# KiCad board Phoenixia2.kicad_pcb
title: Phoenixia72; date: 2024-05-09; rev: 1; company: James Gzowski
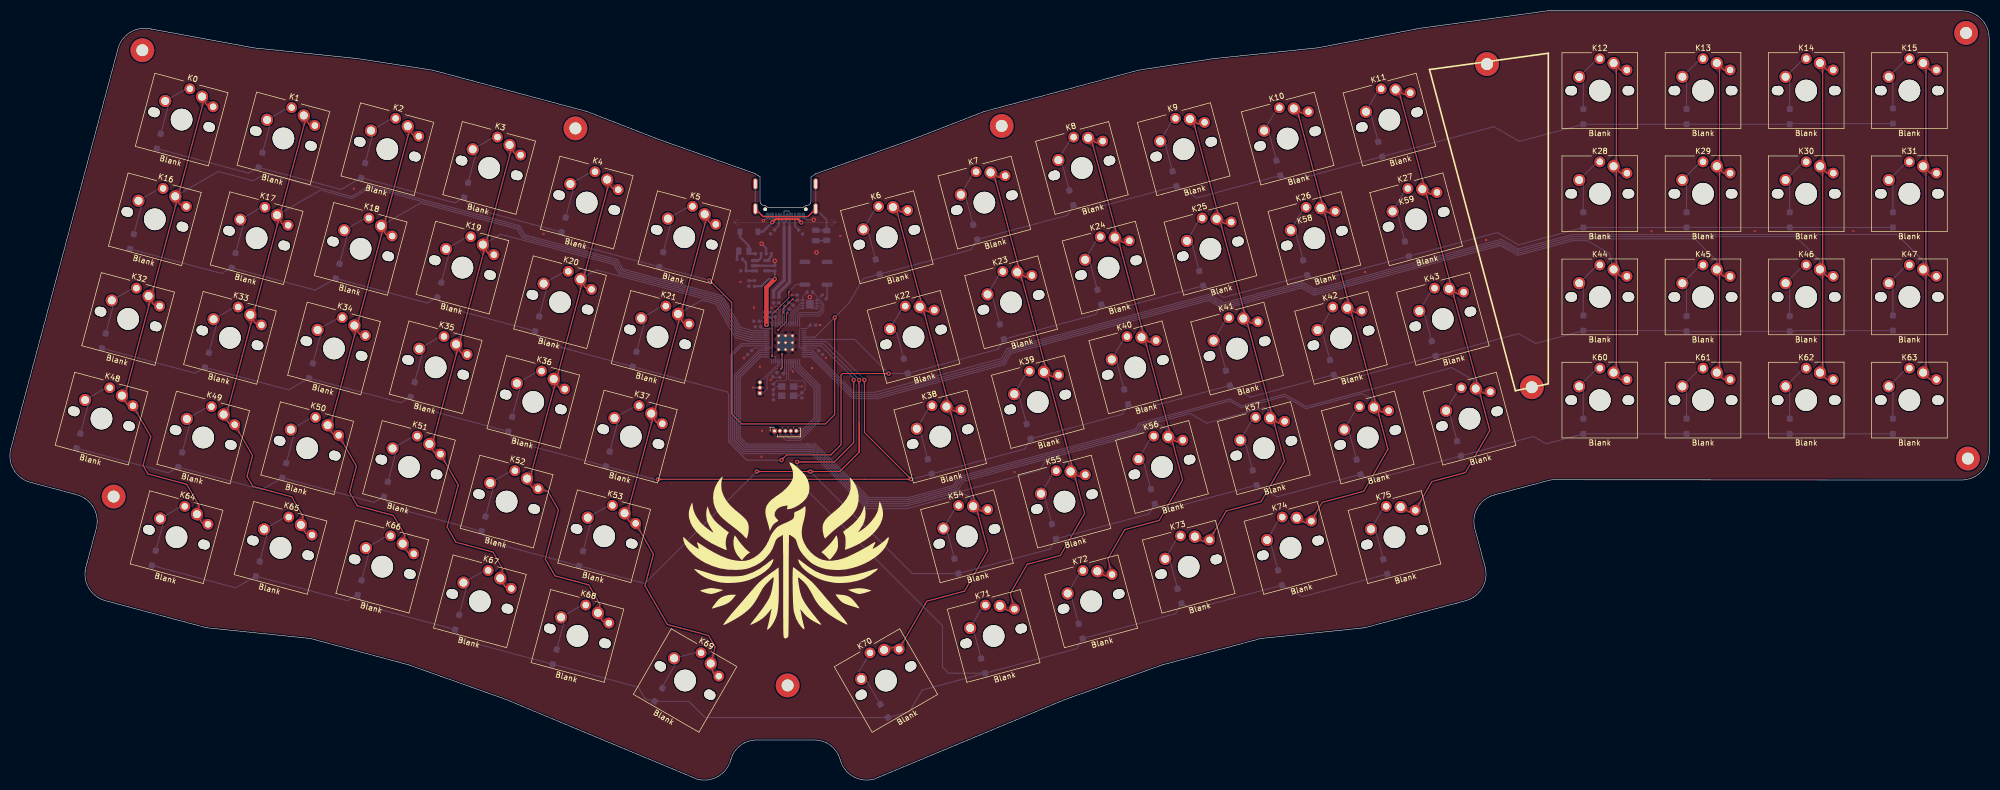
[diagram p0: board, top side]
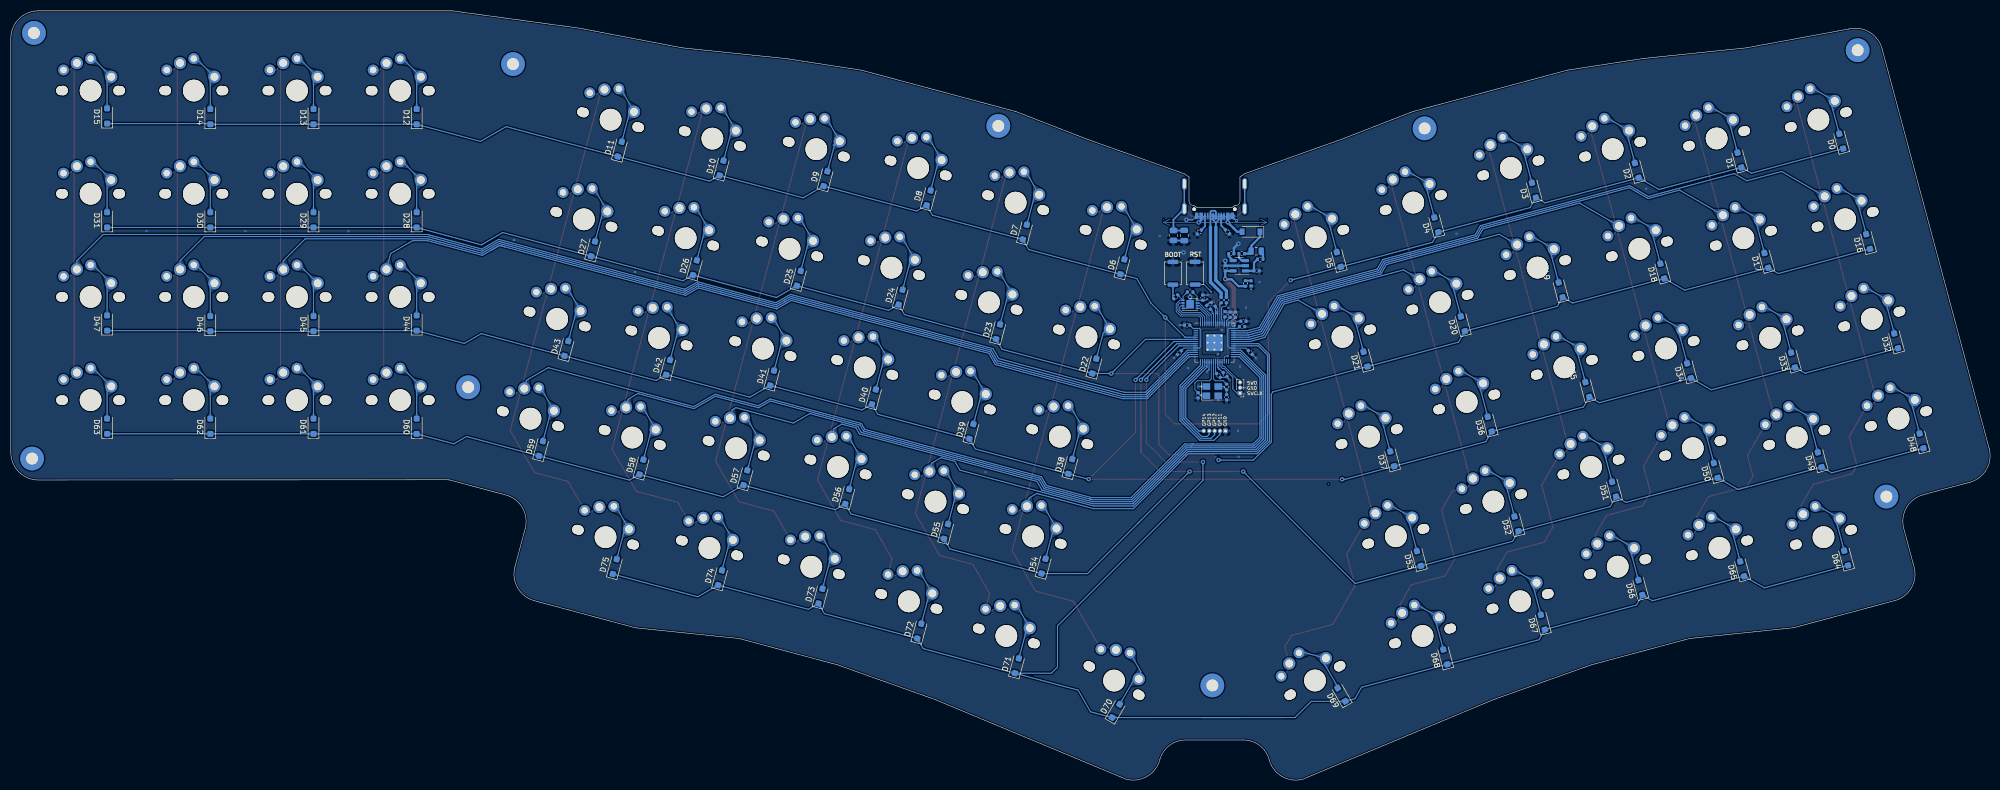
[diagram p1: board, bottom side, seen from below]

Outline 365.39 x 142.02 mm; copper layers: Top, Bottom. Coordinates in mm from the lower left corner of the outline.
Outline path: 138.48,111.34 137.63,111.94 119.62,118.35 106.52,123.43 78.06,131.06 64.17,133.2 44.98,135.19 26.18,138.65 arc(22.32,138.12) 19.95,135.02 0.17,61.21 arc(0.68,57.35) 3.77,54.98 12.35,52.68 arc(15.44,50.32) 15.94,46.46 14.04,39.35 arc(14.55,35.49) 17.63,33.13 36.28,28.13 55.47,26.14 73.62,21.28 91.63,14.88 126.87,0.17 arc(130.72,0.68) 133.09,3.77 arc(134.91,6.44) 137.99,7.4 148.48,7.4 arc(151.51,6.41) 153.28,3.77 arc(155.65,0.68) 159.5,0.17 194.75,14.88 212.75,21.28 230.91,26.14 250.1,28.13 268.74,33.13 arc(271.83,35.49) 272.34,39.35 270.44,46.43 arc(270.95,50.28) 274.03,52.65 284.39,55.41 arc(284.68,55.44) 284.97,55.45 360.31,55.41 arc(363.9,56.9) 365.39,60.49 365.39,136.94 arc(363.9,140.53) 360.31,142.02 283.86,142.02 260.35,138.81 241.4,135.19 222.21,133.2 208.32,131.06 179.86,123.43 166.76,118.35 148.76,111.94 147.89,111.34
Stack: Top 0.035mm / dielectric 1.51mm FR4 er 4.5 / Bottom 0.035mm

## Placement (name value [footprint] x y rotation side)
C1  10uf 0402  [C_0402_1005Metric]  135.41 94.01 180 bottom
C2  22pf 0402  [C_0402_1005Metric]  146.22 71.04 90 bottom
C3  1uf 0402  [C_0402_1005Metric]  141.26 86.02 90 bottom
C4  10uf 0402  [C_0402_1005Metric]  141.21 94.49 90 bottom
C5  100nf 0402  [C_0402_1005Metric]  145.35 89.08 90 bottom
C6  100nf 0402  [C_0402_1005Metric]  141.21 74.87 225 bottom
C7  100nf 0402  [C_0402_1005Metric]  144.29 87.29 45 bottom
C8  100nf 0402  [C_0402_1005Metric]  142.46 74.69 225 bottom
C9  0.1uf  [C_0805_2012Metric]  148.77 100.55 270 bottom
C10  2.2uF 0402  [C_0402_1005Metric]  140.29 85.92 90 bottom
C11  100nf 0402  [C_0402_1005Metric]  143.39 87.84 45 bottom
C13  100nf 0402  [C_0402_1005Metric]  136.57 78.94 225 bottom
C14  100nf 0402  [C_0402_1005Metric]  149.67 78.92 315 bottom
C15  100nf 0402  [C_0402_1005Metric]  148.24 83.99 0 bottom
C16  100nf 0402  [C_0402_1005Metric]  138.09 83.72 180 bottom
C18  100nf 0402  [C_0402_1005Metric]  137.84 84.72 180 bottom
C19  22pf 0402  [C_0402_1005Metric]  140.96 70.68 90 bottom
C102  2.2uF 0402  [C_0402_1005Metric]  139.31 85.92 90 bottom
CBP1  10uf 0402  [C_0402_1005Metric]  140.09 97.19 180 bottom
D0  D  [D_SOD-123F]  27.47 117.95 75 bottom
D1  D  [D_SOD-123F]  46.26 114.47 75 bottom
D2  D  [D_SOD-123F]  65.22 112.56 75 bottom
D3  D  [D_SOD-123F]  84.21 108.9 75 bottom
D4  D  [D_SOD-123F]  102.23 102.51 75 bottom
D5  D  [D_SOD-123F]  120.24 96.1 75 bottom
D6  D  [D_SOD-123F]  160.19 94.76 105 bottom
D7  D  [D_SOD-123F]  178.2 101.16 105 bottom
D8  D  [D_SOD-123F]  195.96 107.49 105 bottom
D9  D  [D_SOD-123F]  215 111.02 105 bottom
D10  D  [D_SOD-123F]  234.19 113 105 bottom
D11  D  [D_SOD-123F]  252.98 116.48 105 bottom
D12  D  [D_SOD-123F]  290.47 122.48 90 bottom
D13  D  [D_SOD-123F]  309.52 122.48 90 bottom
D14  D  [D_SOD-123F]  328.57 122.48 90 bottom
D15  D  [D_SOD-123F]  347.62 122.61 90 bottom
D16  D  [D_SOD-123F]  22.51 99.42 75 bottom
D17  D  [D_SOD-123F]  41.3 95.94 75 bottom
D18  D  [D_SOD-123F]  60.5 93.97 75 bottom
D19  D  [D_SOD-123F]  79.28 90.5 75 bottom
D20  D  [D_SOD-123F]  97.33 84.23 75 bottom
D21  D  [D_SOD-123F]  115.31 77.7 75 bottom
D22  D  [D_SOD-123F]  165.37 76.43 105 bottom
D23  D  [D_SOD-123F]  183.13 82.76 105 bottom
D24  D  [D_SOD-123F]  201.13 89.15 105 bottom
D25  D  [D_SOD-123F]  219.93 92.62 105 bottom
D26  D  [D_SOD-123F]  239.12 94.6 105 bottom
D27  D  [D_SOD-123F]  257.91 98.08 105 bottom
D28  D  [D_SOD-123F]  290.47 103.43 90 bottom
D29  D  [D_SOD-123F]  309.52 103.43 90 bottom
D30  D  [D_SOD-123F]  328.57 103.43 90 bottom
D31  D  [D_SOD-123F]  347.62 103.43 90 bottom
D32  D  [D_SOD-123F]  17.33 81.09 75 bottom
D33  D  [D_SOD-123F]  36.37 77.54 75 bottom
D34  D  [D_SOD-123F]  55.57 75.57 75 bottom
D35  D  [D_SOD-123F]  74.35 72.1 75 bottom
D36  D  [D_SOD-123F]  92.37 65.7 75 bottom
D37  D  [D_SOD-123F]  110.38 59.3 75 bottom
D38  D  [D_SOD-123F]  169.81 57.89 105 bottom
D39  D  [D_SOD-123F]  188.06 64.36 105 bottom
D40  D  [D_SOD-123F]  206.06 70.75 105 bottom
D41  D  [D_SOD-123F]  224.86 74.22 105 bottom
D42  D  [D_SOD-123F]  244.05 76.19 105 bottom
D43  D  [D_SOD-123F]  262.84 79.67 105 bottom
D44  D  [D_SOD-123F]  290.47 84.38 90 bottom
D45  D  [D_SOD-123F]  309.52 84.25 90 bottom
D46  D  [D_SOD-123F]  328.57 84.25 90 bottom
D47  D  [D_SOD-123F]  347.62 84.38 90 bottom
D48  D  [D_SOD-123F]  12.65 62.62 75 bottom
D49  D  [D_SOD-123F]  31.44 59.14 75 bottom
D50  D  [D_SOD-123F]  50.64 57.16 75 bottom
D51  D  [D_SOD-123F]  69.42 53.7 75 bottom
D52  D  [D_SOD-123F]  87.44 47.3 75 bottom
D53  D  [D_SOD-123F]  105.45 40.9 75 bottom
D54  D  [D_SOD-123F]  174.74 39.49 105 bottom
D55  D  [D_SOD-123F]  192.75 45.89 105 bottom
D56  D  [D_SOD-123F]  210.99 52.35 105 bottom
D57  D  [D_SOD-123F]  229.79 55.82 105 bottom
D58  D  [D_SOD-123F]  248.98 57.79 105 bottom
D59  D  [D_SOD-123F]  267.52 61.21 105 bottom
D60  D  [D_SOD-123F]  290.47 65.33 90 bottom
D61  D  [D_SOD-123F]  309.52 65.33 90 bottom
D62  D  [D_SOD-123F]  328.57 65.33 90 bottom
D63  D  [D_SOD-123F]  347.62 65.33 90 bottom
D64  D  [D_SOD-123F]  26.57 40.98 75 bottom
D65  D  [D_SOD-123F]  45.76 39 75 bottom
D66  D  [D_SOD-123F]  64.56 35.54 75 bottom
D67  D  [D_SOD-123F]  82.56 29.14 75 bottom
D68  D  [D_SOD-123F]  100.57 22.73 75 bottom
D69  D  [D_SOD-123F]  119.74 15.76 60 bottom
D70  D  [D_SOD-123F]  161.39 12.76 120 bottom
D71  D  [D_SOD-123F]  179.67 21.09 105 bottom
D72  D  [D_SOD-123F]  197.68 27.49 105 bottom
D73  D  [D_SOD-123F]  215.93 33.96 105 bottom
D74  D  [D_SOD-123F]  234.48 37.35 105 bottom
D75  D  [D_SOD-123F]  253.91 39.41 105 bottom
D100  1N5817W  [D_SOD-123]  136.44 101.24 0 bottom
DLED1  LED  [D_0402_1005Metric]  136.44 91.7 90 bottom
F1  0805L050WR  [Fuse_0805_2012Metric]  135.49 97.66 0 bottom
FB1  MFBM1V1005-000-R  [R_0402_1005Metric]  134.74 96.16 0 bottom
FLASH1  W25Q16JVUXIQ  [SON-8-1EP_3x2mm_P0.5mm_EP1.4x1.6mm]  147.69 87.85 180 bottom
G***  -  [LOGO]  143.38 43.09 0 top
H2  MountingHole  [MountingHole_2.2mm_M2_Pad-Mod]  24.45 134.75 0 top
H2#2  MountingHole  [MountingHole_2.2mm_M2_Pad-Mod]  19.15 52.34 0 top
H2#3  MountingHole  [MountingHole_2.2mm_M2_Pad-Mod]  104.4 120.32 0 top
H2#4  MountingHole  [MountingHole_2.2mm_M2_Pad-Mod]  272.69 132.19 0 top
H2#5  MountingHole  [MountingHole_2.2mm_M2_Pad-Mod]  183.09 120.77 0 top
H2#6  MountingHole  [MountingHole_2.2mm_M2_Pad-Mod]  361.47 59.36 0 top
H2#7  MountingHole  [MountingHole_2.2mm_M2_Pad-Mod]  361.13 137.94 0 top
H2#8  MountingHole  [MountingHole_2.2mm_M2_Pad-Mod]  143.58 17.48 0 top
H2#9  MountingHole  [MountingHole_2.2mm_M2_Pad-Mod]  280.96 72.53 0 top
J2  Button  [SW_Push_SPST_NO_Alps_SKRK]  150.86 93.58 90 bottom
J5  Conn_01x03_Male  [PinHeader_1x03_P1.00mm_Vertical]  138.46 71.44 0 bottom
K0  Blank  [SW_Cherry_Choc3_MX_1.00u_PCB]  35.47 126.19 345 top
K1  Blank  [SW_Cherry_Choc3_MX_1.00u_PCB]  54.26 122.71 345 top
K2  Blank  [SW_Cherry_Choc3_MX_1.00u_PCB]  73.45 120.72 345 top
K3  Blank  [SW_Cherry_Choc3_MX_1.00u_PCB]  92.24 117.27 345 top
K4  Blank  [SW_Cherry_Choc3_MX_1.00u_PCB]  110.26 110.87 345 top
K5  Blank  [SW_Cherry_Choc3_MX_1.00u_PCB]  128.26 104.47 345 top
K6  Blank  [SW_Cherry_Choc3_MX_1.00u_PCB]  163.03 105.78 15 top
K7  Blank  [SW_Cherry_Choc3_MX_1.00u_PCB]  181.03 112.18 15 top
K8  Blank  [SW_Cherry_Choc3_MX_1.00u_PCB]  199.04 118.57 15 top
K9  Blank  [SW_Cherry_Choc3_MX_1.00u_PCB]  217.84 122.04 15 top
K10  Blank  [SW_Cherry_Choc3_MX_1.00u_PCB]  237.02 124 15 top
K11  Blank  [SW_Cherry_Choc3_MX_1.00u_PCB]  255.81 127.49 15 top
K12  Blank  [SW_Cherry_Choc3_MX_1.00u_PCB]  296.05 132.37 0 top
K13  Blank  [SW_Cherry_Choc3_MX_1.00u_PCB]  315.11 132.38 0 top
K14  Blank  [SW_Cherry_Choc3_MX_1.00u_PCB]  334.16 132.38 0 top
K15  Blank  [SW_Cherry_Choc3_MX_1.00u_PCB]  353.21 132.38 0 top
K16  Blank  [SW_Cherry_Choc3_MX_1.00u_PCB]  30.53 107.78 345 top
K17  Blank  [SW_Cherry_Choc3_MX_1.00u_PCB]  49.32 104.3 345 top
K18  Blank  [SW_Cherry_Choc3_MX_1.00u_PCB]  68.52 102.32 345 top
K19  Blank  [SW_Cherry_Choc3_MX_1.00u_PCB]  87.31 98.86 345 top
K20  Blank  [SW_Cherry_Choc3_MX_1.00u_PCB]  105.33 92.47 345 top
K21  Blank  [SW_Cherry_Choc3_MX_1.00u_PCB]  123.33 86.07 345 top
K22  Blank  [SW_Cherry_Choc3_MX_1.00u_PCB]  167.96 87.37 15 top
K23  Blank  [SW_Cherry_Choc3_MX_1.00u_PCB]  185.96 93.76 15 top
K24  Blank  [SW_Cherry_Choc3_MX_1.00u_PCB]  203.97 100.17 15 top
K25  Blank  [SW_Cherry_Choc3_MX_1.00u_PCB]  222.77 103.64 15 top
K26  Blank  [SW_Cherry_Choc3_MX_1.00u_PCB]  241.95 105.61 15 top
K27  Blank  [SW_Cherry_Choc3_MX_1.00u_PCB]  260.74 109.09 15 top
K28  Blank  [SW_Cherry_Choc3_MX_1.00u_PCB]  296.06 113.33 0 top
K29  Blank  [SW_Cherry_Choc3_MX_1.00u_PCB]  315.11 113.33 0 top
K30  Blank  [SW_Cherry_Choc3_MX_1.00u_PCB]  334.16 113.33 0 top
K31  Blank  [SW_Cherry_Choc3_MX_1.00u_PCB]  353.21 113.33 0 top
K32  Blank  [SW_Cherry_Choc3_MX_1.00u_PCB]  25.6 89.38 345 top
K33  Blank  [SW_Cherry_Choc3_MX_1.00u_PCB]  44.39 85.9 345 top
K34  Blank  [SW_Cherry_Choc3_MX_1.00u_PCB]  63.59 83.93 345 top
K35  Blank  [SW_Cherry_Choc3_MX_1.00u_PCB]  82.37 80.45 345 top
K36  Blank  [SW_Cherry_Choc3_MX_1.00u_PCB]  100.39 74.06 345 top
K37  Blank  [SW_Cherry_Choc3_MX_1.00u_PCB]  118.4 67.67 345 top
K38  Blank  [SW_Cherry_Choc3_MX_1.00u_PCB]  172.89 68.97 15 top
K39  Blank  [SW_Cherry_Choc3_MX_1.00u_PCB]  190.89 75.36 15 top
K40  Blank  [SW_Cherry_Choc3_MX_1.00u_PCB]  208.89 81.75 15 top
K41  Blank  [SW_Cherry_Choc3_MX_1.00u_PCB]  227.69 85.22 15 top
K42  Blank  [SW_Cherry_Choc3_MX_1.00u_PCB]  246.88 87.2 15 top
K43  Blank  [SW_Cherry_Choc3_MX_1.00u_PCB]  265.67 90.69 15 top
K44  Blank  [SW_Cherry_Choc3_MX_1.00u_PCB]  296.06 94.28 0 top
K45  Blank  [SW_Cherry_Choc3_MX_1.00u_PCB]  315.1 94.27 0 top
K46  Blank  [SW_Cherry_Choc3_MX_1.00u_PCB]  334.16 94.28 0 top
K47  Blank  [SW_Cherry_Choc3_MX_1.00u_PCB]  353.21 94.28 0 top
K48  Blank  [SW_Cherry_Choc3_MX_1.00u_PCB]  20.68 70.99 345 top
K49  Blank  [SW_Cherry_Choc3_MX_1.00u_PCB]  39.46 67.5 345 top
K50  Blank  [SW_Cherry_Choc3_MX_1.00u_PCB]  58.65 65.52 345 top
K51  Blank  [SW_Cherry_Choc3_MX_1.00u_PCB]  77.44 62.05 345 top
K52  Blank  [SW_Cherry_Choc3_MX_1.00u_PCB]  95.47 55.67 345 top
K53  Blank  [SW_Cherry_Choc3_MX_1.00u_PCB]  113.47 49.27 345 top
K54  Blank  [SW_Cherry_Choc3_MX_1.00u_PCB]  177.82 50.56 15 top
K55  Blank  [SW_Cherry_Choc3_MX_1.00u_PCB]  195.82 56.97 15 top
K56  Blank  [SW_Cherry_Choc3_MX_1.00u_PCB]  213.83 63.36 15 top
K57  Blank  [SW_Cherry_Choc3_MX_1.00u_PCB]  232.63 66.84 15 top
K58  Blank  [SW_Cherry_Choc3_MX_1.00u_PCB]  251.81 68.81 15 top
K59  Blank  [SW_Cherry_Choc3_MX_1.00u_PCB]  270.6 72.29 15 top
K60  Blank  [SW_Cherry_Choc3_MX_1.00u_PCB]  296.06 75.23 0 top
K61  Blank  [SW_Cherry_Choc3_MX_1.00u_PCB]  315.11 75.23 0 top
K62  Blank  [SW_Cherry_Choc3_MX_1.00u_PCB]  334.16 75.23 0 top
K63  Blank  [SW_Cherry_Choc3_MX_1.00u_PCB]  353.21 75.23 0 top
K64  Blank  [SW_Cherry_Choc3_MX_1.00u_PCB]  34.52 49.1 345 top
K65  Blank  [SW_Cherry_Choc3_MX_1.00u_PCB]  53.72 47.12 345 top
K66  Blank  [SW_Cherry_Choc3_MX_1.00u_PCB]  72.51 43.65 345 top
K67  Blank  [SW_Cherry_Choc3_MX_1.00u_PCB]  90.53 37.26 345 top
K68  Blank  [SW_Cherry_Choc3_MX_1.00u_PCB]  108.54 30.87 345 top
K69  Blank  [SW_Cherry_Choc3_MX_1.00u_PCB]  129.38 21.52 330 top
K70  Blank  [SW_Cherry_Choc3_MX_1.00u_PCB#2]  161.39 24.04 30 top
K71  Blank  [SW_Cherry_Choc3_MX_1.00u_PCB]  182.75 32.17 15 top
K72  Blank  [SW_Cherry_Choc3_MX_1.00u_PCB]  200.75 38.56 15 top
K73  Blank  [SW_Cherry_Choc3_MX_1.00u_PCB]  218.76 44.95 15 top
K74  Blank  [SW_Cherry_Choc3_MX_1.00u_PCB]  237.55 48.42 15 top
K75  Blank  [SW_Cherry_Choc3_MX_1.00u_PCB]  256.74 50.41 15 top
R1  1K 0402  [R_0402_1005Metric]  150.34 89.22 315 bottom
R2  10K 0402  [R_0402_1005Metric]  147.69 90.1 0 bottom
R3  27r 0402 resistor  [R_0402_1005Metric]  141.97 88.63 270 bottom
R4  27r 0402 resistor  [R_0402_1005Metric]  140.98 88.63 270 bottom
R5  5.1K 0402  [R_0402_1005Metric]  140.79 101.21 45 bottom
R6  5.1K 0402  [R_0402_1005Metric]  145.99 101.19 135 bottom
R7  100K 0402  [R_0402_1005Metric]  138.16 97.19 180 bottom
R8  330r  [R_0805_2012Metric]  150.77 100.55 270 bottom
R9  1K 0201  [R_0402_1005Metric]  137.46 91.7 270 bottom
R11  1K 0402  [R_0402_1005Metric]  140.95 72.59 270 bottom
REF**  -  [PinSocket_1x05_P1.00mm_Vertical]  141.16 64.47 90 top
Reset  TSA343G00-250J2  [SW_Push_SPST_NO_Alps_SKRK]  146.76 93.59 270 bottom
U1  SOT-23-5 5.5V 3.3V 500mA  [SOT-23-5]  138.61 94.96 0 bottom
U3  RP2040  [RP2040-QFN-56]  143.19 80.77 180 bottom
USB1  TYPE-C-31-M-14  [USB_C_TYPE-C-31-M-14]  143.19 107.05 0 bottom
Y1  3225_4P 12MHz  [Crystal_SMD_3225-4Pin_3.2x2.5mm]  143.59 71.82 180 bottom

## Library data of the parts
C1-C11 C13-C16 C18 C19 C102 CBP1 = -: ki_fp_filters: C_*
D0-D75 D100 = -: ki_fp_filters: TO-???* *_Diode_* *SingleDiode* D_*
DLED1 = -: Description: Light emitting diode; ki_fp_filters: LED* LED_SMD:* LED_THT:*
F1 = -: ki_fp_filters: *polyfuse* *PTC*
FB1 = -: ki_fp_filters: Inductor_* L_* *Ferrite*
FLASH1 = -: Datasheet: http://www.winbond.com/resource-files/w25q32jv%20revg%2003272018%20plus.pdf; ki_fp_filters: WSON*1EP*6x5mm*P1.27mm*
J5 = -: ki_fp_filters: Connector*:*_1x??_*
R1-R8 R11 = -: ki_fp_filters: R_*
R9 = -: Description: Resistor
U1 = -: ki_fp_filters: SOT?23*
U3 = -: LCSC: C2040
USB1 = -: Datasheet: https://datasheet.lcsc.com/szlcsc/1811141824_XKB-Enterprise-U262-161N-4BVC11_C319148.pdf; LCSC: C319148; MPN: U262-161N-4BVC11; Manufacturer: XKB Enterprise; ki_fp_filters: USB*C*Receptacle*
Y1 = -: ki_fp_filters: Crystal*

## Footprints (pads in the part's own frame, mm; a bottom-side part is the same pattern mirrored in y, then rotated)
C_0402_1005Metric
  rrect 0.56x0.62 smd: 1(-0.48,0) 2(0.48,0)
C_0805_2012Metric
  rrect 1x1.45 smd: 1(-0.95,0) 2(0.95,0)
Crystal_SMD_3225-4Pin_3.2x2.5mm
  rect 1.4x1.2 smd: 1(-1.1,-0.85) 2(1.1,-0.85) 3(1.1,0.85) 4(-1.1,0.85)
D_0402_1005Metric
  rrect 0.59x0.64 smd: 1(-0.485,0) 2(0.485,0)
D_SOD-123
  rect 0.9x1.2 smd: 1(-1.65,0) 2(1.65,0)
D_SOD-123F
  rrect 1.1x1.1 smd: 1(-1.4,0) 2(1.4,0)
Fuse_0805_2012Metric
  rrect 0.975x1.4 smd: 1(-0.937,0) 2(0.937,0)
MountingHole_2.2mm_M2_Pad-Mod
  round 4.4 hole 2.2: 1(0,0)
PinHeader_1x03_P1.00mm_Vertical
  rect 0.85x0.85 hole 0.5: 1(0,0)
  oval 0.85x0.85 hole 0.5: 2(0,-1) 3(0,-2)
PinSocket_1x05_P1.00mm_Vertical
  rect 0.85x0.85 hole 0.5: 1(0,0)
  oval 0.85x0.85 hole 0.5: 2(0,-1) 3(0,-2) 4(0,-3) 5(0,-4)
R_0402_1005Metric
  rrect 0.54x0.64 smd: 1(-0.51,0) 2(0.51,0)
R_0805_2012Metric
  rrect 1.025x1.4 smd: 1(-0.912,0) 2(0.912,0)
RP2040-QFN-56
  rrect 1.084x1.084 smd: (-0.637,-0.637) (-0.637,0.637) (0.637,-0.637) (0.637,0.637)
  rrect 0.875x0.2 smd: 1(-3.438,2.6) 2(-3.438,2.2) 3(-3.437,1.8) 4(-3.438,1.4) 5(-3.438,1) 6(-3.437,0.6) 7(-3.438,0.2) 8(-3.438,-0.2) 9(-3.438,-0.6) 10(-3.438,-1) 11(-3.438,-1.4) 12(-3.438,-1.8) 13(-3.438,-2.2) 14(-3.438,-2.6) 29(3.438,-2.6) 30(3.438,-2.2) 31(3.437,-1.8) 32(3.438,-1.4) 33(3.438,-1) 34(3.437,-0.6) 35(3.438,-0.2) 36(3.438,0.2) 37(3.438,0.6) 38(3.438,1) 39(3.438,1.4) 40(3.438,1.8) 41(3.438,2.2) 42(3.438,2.6)
  rrect 0.2x0.875 smd: 15(-2.6,-3.438) 16(-2.2,-3.438) 17(-1.8,-3.437) 18(-1.4,-3.438) 19(-1,-3.438) 20(-0.6,-3.437) 21(-0.2,-3.438) 22(0.2,-3.438) 23(0.6,-3.438) 24(1,-3.438) 25(1.4,-3.438) 26(1.8,-3.438) 27(2.2,-3.438) 28(2.6,-3.438) 43(2.6,3.438) 44(2.2,3.438) 45(1.8,3.437) 46(1.4,3.438) 47(1,3.438) 48(0.6,3.437) 49(0.2,3.438) 50(-0.2,3.438) 51(-0.6,3.438) 52(-1,3.438) 53(-1.4,3.438) 54(-1.8,3.438) 55(-2.2,3.438) 56(-2.6,3.438)
  round 0.6 hole 0.35: 57(-1.275,-1.275) 57(-1.275,0) 57(-1.275,1.275) 57(0,-1.275) 57(0,0) 57(0,1.275) 57(1.275,-1.275) 57(1.275,0) 57(1.275,1.275)
  rrect 3.2x3.2 smd: 57(0,0)
SON-8-1EP_3x2mm_P0.5mm_EP1.4x1.6mm
  rrect 0.56x0.64 smd: (-0.35,0.4) (-0.35,-0.4) (0.35,0.4) (0.35,-0.4)
  rrect 0.525x0.35 smd: 1(-1.288,0.75) 2(-1.287,0.25) 3(-1.288,-0.25) 4(-1.288,-0.75) 5(1.288,-0.75) 6(1.287,-0.25) 7(1.288,0.25) 8(1.288,0.75)
  rect 1.4x1.6 smd: 9(0,0)
SOT-23-5
  rrect 1.325x0.6 smd: 1(-1.137,0.95) 2(-1.137,0) 3(-1.137,-0.95) 4(1.137,-0.95) 5(1.137,0.95)
SW_Cherry_Choc3_MX_1.00u_PCB
  round 1.7 hole 1.7 unplated: (-8.04,-5.08) (2.96,-5.08)
  round 1.75 hole 1.75 unplated: (-7.62,-5.08) (2.54,-5.08)
  round 4 hole 4 unplated: (-2.54,-5.08)
  round 2.25 hole 1.47: 1(0,0)
  round 2 hole 1.2: 1(2.46,-1.28) 2(-2.54,0.82)
  oval 2.25x2.25 hole 1.47: 2(-6.35,-2.54)
SW_Cherry_Choc3_MX_1.00u_PCB#2
  round 1.7 hole 1.7 unplated: (-8.04,-5.08) (2.96,-5.08)
  round 1.75 hole 1.75 unplated: (-7.62,-5.08) (2.54,-5.08)
  round 4 hole 4 unplated: (-2.54,-5.08)
  round 2.25 hole 1.47: 1(0,0)
  round 2 hole 1.2: 1(2.46,-1.28) 2(-2.54,0.82)
  oval 2.25x2.25 hole 1.47: 2(-6.35,-2.54)
SW_Push_SPST_NO_Alps_SKRK
  rrect 0.8x2 smd: 1(-2.1,0) 2(2.1,0)
USB_C_TYPE-C-31-M-14
  round 0.65 hole 0.65 unplated: (-3.75,1.66) (3.75,1.66)
  rect 0.6x1.1 smd: A1(-3.3,2.86) A4(-2.45,2.86) A9(2.45,2.86) A12(3.3,2.86) B1(3.3,2.86) B4(2.45,2.86) B9(-2.45,2.86) B12(-3.3,2.86)
  rect 0.3x1.1 smd: A5(-1.25,2.86) A6(-0.25,2.86) A7(0.25,2.86) A8(1.25,2.86) B5(1.75,2.86) B6(0.75,2.86) B7(-0.75,2.86) B8(-1.75,2.86)
  oval 0.9x2.1 hole 0.5x1.7: S1(-5.575,1.58) S1(-5.575,-3.02) S1(5.575,1.58) S1(5.575,-3.02)

## Nets
3V3_EN: R7.1 U1.3
+1V1: C3.1 C6.1 C7.1 U3.23 U3.45 U3.50
+3V3: C4.1 C5.1 C8.1 C10.1 C11.1 C13.1 C14.1 C15.1 C16.1 C18.1 C102.1 FLASH1.8 R2.1 R9.2 U1.5 U3.1 U3.10 U3.22 U3.33 U3.42 U3.43 U3.44 U3.48 U3.49
GND: C1.2 C2.1 C3.2 C4.2 C5.2 C6.2 C7.2 C8.2 C9.2 C10.2 C11.2 C13.2 C14.2 C15.2 C16.2 C18.2 C19.1 C102.2 CBP1.2 DLED1.1 FLASH1.4 FLASH1.9 J2.2 J5.2 R5.1 R6.1 R8.2 REF**.1 Reset.1 U1.2 U3.19 U3.57 USB1.A1 USB1.A12 USB1.B1 USB1.B12 Y1.2 Y1.4
VBUS: D100.2 USB1.A4 USB1.A9 USB1.B4 USB1.B9
/GPIO0: U3.2
/GPIO1: U3.3
/QSPI_SCLK: FLASH1.6 U3.52
/QSPI_SD0: FLASH1.5 U3.53
/QSPI_SD1: FLASH1.2 U3.55
/QSPI_SD2: FLASH1.3 U3.54
/QSPI_SD3: FLASH1.7 U3.51
/QSPI_SS: FLASH1.1 R1.1 R2.2 U3.56
/RUN: Reset.2 U3.26
/SWCLK: J5.1 U3.24
/SWD: J5.3 U3.25
/~{USB_BOOT}: J2.1 R1.2
Col_0: K0.1 K16.1 K32.1 K48.1 K64.1 U3.41
Col_1: K1.1 K17.1 K33.1 K49.1 K65.1 U3.40
Col_2: K2.1 K18.1 K34.1 K50.1 K66.1 U3.39
Col_3: K3.1 K19.1 K35.1 K51.1 K67.1 U3.38
Col_4: K4.1 K20.1 K36.1 K52.1 K68.1 U3.37
Col_5: K5.1 K21.1 K37.1 K53.1 K69.1 U3.36
Col_6: K6.1 K22.1 K38.1 K54.1 K70.1 U3.35
Col_7: K7.1 K23.1 K39.1 K55.1 K71.1 U3.34
Col_8: K8.1 K24.1 K40.1 K56.1 K72.1 U3.32
Col_9: K9.1 K25.1 K41.1 K57.1 K73.1 U3.31
Col_10: K10.1 K26.1 K42.1 K58.1 K74.1 U3.30
Col_11: K11.1 K27.1 K43.1 K59.1 K75.1 U3.29
Col_12: K12.1 K28.1 K44.1 K60.1 U3.14
Col_13: K13.1 K29.1 K45.1 K61.1 U3.13
Col_14: K14.1 K30.1 K46.1 K62.1 U3.12
Col_15: K15.1 K31.1 K47.1 K63.1 U3.11
Row_0: D0.1 D1.1 D2.1 D3.1 D4.1 D5.1 D6.1 D7.1 D8.1 D9.1 D10.1 D11.1 D12.1 D13.1 D14.1 D15.1 U3.5
Row_1: D16.1 D17.1 D18.1 D19.1 D20.1 D21.1 D22.1 D23.1 D24.1 D25.1 D26.1 D27.1 D28.1 D29.1 D30.1 D31.1 U3.6
Row_2: D32.1 D33.1 D34.1 D35.1 D36.1 D37.1 D38.1 D39.1 D40.1 D41.1 D42.1 D43.1 D44.1 D45.1 D46.1 D47.1 U3.7
Row_3: D48.1 D49.1 D50.1 D51.1 D52.1 D53.1 D54.1 D55.1 D56.1 D57.1 D58.1 D59.1 D60.1 D61.1 D62.1 D63.1 U3.8
Row_4: D64.1 D65.1 D66.1 D67.1 D68.1 D69.1 D70.1 D71.1 D72.1 D73.1 D74.1 D75.1 U3.9
SPARE1: REF**.2 U3.15
SPARE2: REF**.3 U3.16
SPARE3: REF**.4 U3.17
SPARE4: REF**.5 U3.18
SPARE5: U3.27
SPARE6: U3.28
SPARE7: U3.4
USB_D+: R3.1 USB1.A6 USB1.B6
USB_D-: R4.1 USB1.A7 USB1.B7
VSYS: D100.1 F1.2 R7.2
XIN: C2.2 U3.20 Y1.1
XOUT: R11.1 U3.21
Net-(C19-Pad2): C19.2 R11.2 Y1.3
Net-(D0-A): D0.2 K0.2
Net-(D1-A): D1.2 K1.2
Net-(D2-A): D2.2 K2.2
Net-(D3-A): D3.2 K3.2
Net-(D4-A): D4.2 K4.2
Net-(D5-A): D5.2 K5.2
Net-(D6-A): D6.2 K6.2
Net-(D7-A): D7.2 K7.2
Net-(D8-A): D8.2 K8.2
Net-(D9-A): D9.2 K9.2
Net-(D10-A): D10.2 K10.2
Net-(D11-A): D11.2 K11.2
Net-(D12-A): D12.2 K12.2
Net-(D13-A): D13.2 K13.2
Net-(D14-A): D14.2 K14.2
Net-(D15-A): D15.2 K15.2
Net-(D16-A): D16.2 K16.2
Net-(D17-A): D17.2 K17.2
Net-(D18-A): D18.2 K18.2
Net-(D19-A): D19.2 K19.2
Net-(D20-A): D20.2 K20.2
Net-(D21-A): D21.2 K21.2
Net-(D22-A): D22.2 K22.2
Net-(D23-A): D23.2 K23.2
Net-(D24-A): D24.2 K24.2
Net-(D25-A): D25.2 K25.2
Net-(D26-A): D26.2 K26.2
Net-(D27-A): D27.2 K27.2
Net-(D28-A): D28.2 K28.2
Net-(D29-A): D29.2 K29.2
Net-(D30-A): D30.2 K30.2
Net-(D31-A): D31.2 K31.2
Net-(D32-A): D32.2 K32.2
Net-(D33-A): D33.2 K33.2
Net-(D34-A): D34.2 K34.2
Net-(D35-A): D35.2 K35.2
Net-(D36-A): D36.2 K36.2
Net-(D37-A): D37.2 K37.2
Net-(D38-A): D38.2 K38.2
Net-(D39-A): D39.2 K39.2
Net-(D40-A): D40.2 K40.2
Net-(D41-A): D41.2 K41.2
Net-(D42-A): D42.2 K42.2
Net-(D43-A): D43.2 K43.2
Net-(D44-A): D44.2 K44.2
Net-(D45-A): D45.2 K45.2
Net-(D46-A): D46.2 K46.2
Net-(D47-A): D47.2 K47.2
Net-(D48-A): D48.2 K48.2
Net-(D49-A): D49.2 K49.2
Net-(D50-A): D50.2 K50.2
Net-(D51-A): D51.2 K51.2
Net-(D52-A): D52.2 K52.2
Net-(D53-A): D53.2 K53.2
Net-(D54-A): D54.2 K54.2
Net-(D55-A): D55.2 K55.2
Net-(D56-A): D56.2 K56.2